# Altium PCB 键盘 - 俊杰.PcbDoc (part 2 of 4)
Units mil, origin at the board's own origin, x right, y up, seen from the top; angles counter-clockwise.
Board outline 17460 x 5880 mil, 2 copper layers (Top Layer, Bottom Layer); 278 components, 283 nets, 1577 pads, 1412 vias.
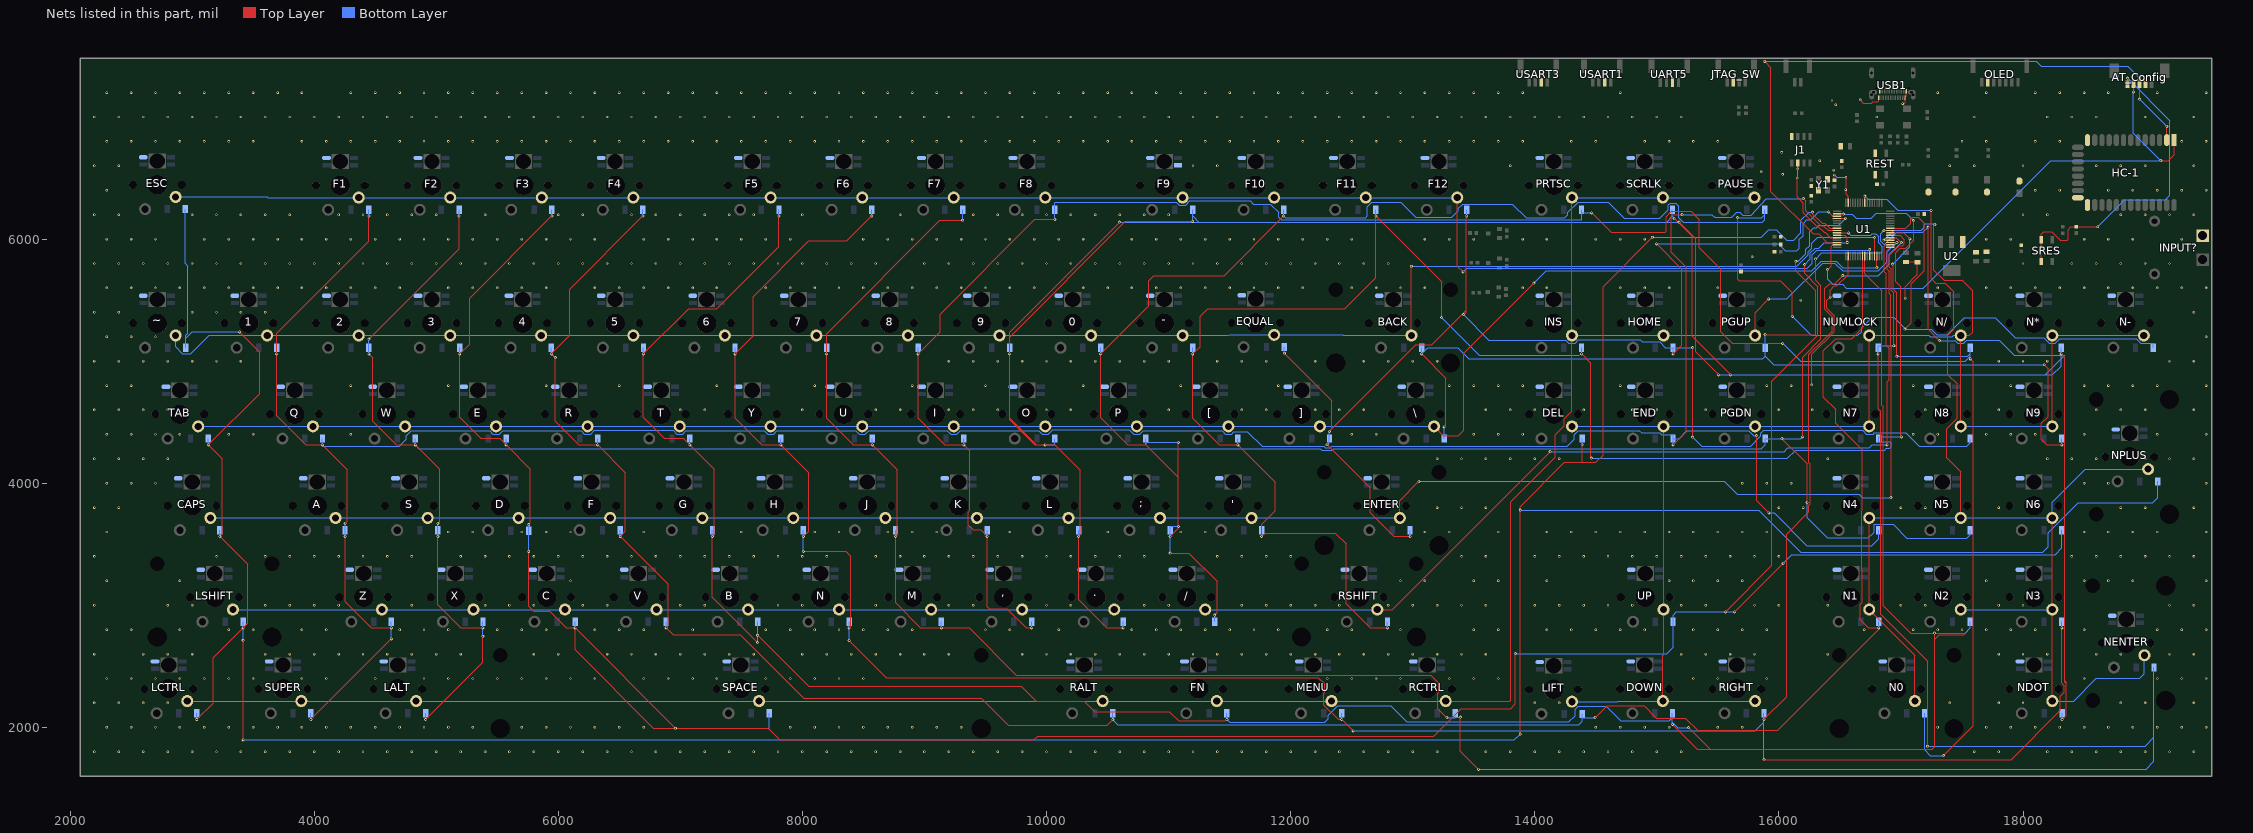
[diagram p2: the nets of this part, all layers, seen from the top]

## Via types
v1: diameter 20, hole 10, Top Layer to Bottom Layer, 1072 vias
v2: diameter 24.02, hole 12.01, Top Layer to Bottom Layer, 310 vias
v3: diameter 20, hole 10, Top Layer to Bottom Layer, tented both sides, 30 vias

## Nets (pads, with @x,y where several pads share a name; then routed paths per layer and width w, separated by ;. In a path a pad name is that pad's centre, name@x,y a point inside that pad or via, vN(x,y) a via of type N, cw(c..) or ccw(c..) an arc to the next point about the centre after c; other vN are vias at no path point) (continued)
GND: 0.5 1.5 2.5 3.5 4.5 5.5 6.5 7.5 8.5 9.5 '.5 ,.5 -.5 ..5 /.5 ;.5 [.5 \.5 ].5 A.5 AT_Config.2 B.5 BACK.5 C1.2 C2.2 C3.2 C4.1 C5.2 C6.2 C7.2 C8.2 C9.1 C10.1 C11.1 C12.1 C13.2 C.5 CAPS.5 D1.2 D2.2 D3.2 D.5 DEL.5 DOWN.5 DR.2 E.5 END.5 ENTER.5 EQUAL.5 ESC.5 F1.5 F2.5 F3.5 F4.5 F5.5 F6.5 F7.5 F8.5 F9.3 F9.5 F10.5 F11.5 F12.5 F.5 FN.5 G.5 H.5 HC-1.13 HC-1.21 HC-1.22 HOME.5 I.5 INPUT?.1 INS.5 J1.2 J1.8 J.5 JTAG_SW.3 K.5 L.5 LALT.5 LCTRL.5 LIFT.5 LSHIFT.5 M.5 MENU.5 N0.5 N1.5 N2.5 N3.5 N4.5 N5.5 N6.5 N7.5 N8.5 N9.5 N*.5 N-.5 N.5 N/.5 NDOT.5 NENTER.5 NPLUS.5 NUMLOCK.5 O.5 OLED.6 P.5 PAUSE.5 PGDN.5 PGUP.5 PRTSC.5 Q.5 R1.2 R3.2 R15.2 R.5 RALT.5 RCTRL.5 REST.2 RIGHT.5 RSHIFT.5 S.5 SCRLK.5 SPACE.5 SUPER.5 T.5 TAB.5 U1.12 U1.18 U1.63 U2.1 U.5 UART5.2 UP.5 USART1.2 USART3.2 USB1.A1 USB1.A12 USB1.B1 USB1.B12 V.5 W.5 X.5 Y1.2 Y1.4 Y.5 Z.5 ~.5 | length 3144.8
  Top Layer w10: v3(16150,6500) 16150,6345 16201.25,6293.75 16201.25,6214.03 16305.52,6109.76 16315.52,6109.76 16370.28,6055 16380,6055 16422.6,6012.4 16475.2,6012.4 U1.12@16476.5,6011.1 ; v3(16155,6574.53) J1.2@16155,6623.46 ; v3(16270,4805) 16270,5055.28 16369.08,5154.36 16370.64,5154.36 16454.87,5238.6 16454.87,5371.4 16392.87,5433.4 16392.87,5497.87 v3(16420,5525) 16420,5582.35 16455.53,5617.87 16474.47,5617.87 16476.04,5616.31 16567.05,5707.33 U1.18@16567.05,5861.5 ; C4.1@16455,6481.18 v3(16455,6525) ; v3(16550,6505) 16550,6365.28 16567.05,6348.23 U1.63@16567.05,6298.5 ; v3(16667,7140) 16693,7114 16759.72,7114 16769.6,7123.87 16808.87,7123.87 16816.82,7131.82 USB1.A12@16816.82,7158.13 ; v3(17013.82,7110) 17028,7110 17033.35,7115.35 USB1.A1@17033.35,7158.13 17043.19,7167.97 USB1.B12@17043.19,7209.31 ; v3@17034.1,5515.9 v3(17035,5516.81) 17035,5610.28 17135,5710.28 C10.1@17135,5810 17132.4,5812.6 C9.1@17040,5812.6
  Bottom Layer w10: v3(16150,6500) 16155,6505 v3(16155,6574.53) ; v3(16455,6525) 16475,6505 v3(16550,6505)
  other v1: 2200,1800 2400,1800 2600,1800 2800,1800 3000,1800 3200,1800 3400,1800 3600,1800 3800,1800 4000,1800 4200,1800 4400,1800 4600,1800 4800,1800 5000,1800 5200,1800 5400,1800 5600,1800 5800,1800 6000,1800 6200,1800 6400,1800 6600,1800 6800,1800 7000,1800 7200,1800 7400,1800 7600,1800 7800,1800 8000,1800 8200,1800 8400,1800 8600,1800 8800,1800 9000,1800 9200,1800 9400,1800 9600,1800 9800,1800 10000,1800 10200,1800 10400,1800 10600,1800 10800,1800 11000,1800 11200,1800 11400,1800 11600,1800 11800,1800 12000,1800 12200,1800 12400,1800 12600,1800 12800,1800 13000,1800 13200,1800 13600,1800 13800,1800 14000,1800 14200,1800 14400,1800 14600,1800 14800,1800 15000,1800 15200,1800 17600,1800 17800,1800 18200,1800 18400,1800 18600,1800 18800,1800 19000,1800 19200,1800 19400,1800 2300,2000 2500,2000 2700,2000 2900,2000 3100,2000 3300,2000 3500,2000 3700,2000 3900,2000 4100,2000 4300,2000 4500,2000 4700,2000 4900,2000 5100,2000 5300,2000 5700,2000 5900,2000 6100,2000 6300,2000 6500,2000 6700,2000 7900,2000 8100,2000 8300,2000 8500,2000 8700,2000 8900,2000 9100,2000 9300,2000 14500,2000 14700,2000 14900,2000 15100,2000 15500,2000 15700,2000 17300,2000 17700,2000 17900,2000 18100,2000 18300,2000 18500,2000 18700,2000 18900,2000 19100,2000 19300,2000 19500,2000 2200,2200 2400,2200 2600,2200 2800,2200 14000,2200 14200,2200 17400,2200 17800,2200 18000,2200 18800,2200 19000,2200 19400,2200 2300,2400 2500,2400 2700,2400 2900,2400 3100,2400 3300,2400 3500,2400 3900,2400 4100,2400 4500,2400 4900,2400 5100,2400 5300,2400 5500,2400 5700,2400 5900,2400 6100,2400 6300,2400 6700,2400 6900,2400 7100,2400 7300,2400 7700,2400 7900,2400 8100,2400 8300,2400 8500,2400 12300,2400 12500,2400 12700,2400 12900,2400 13300,2400 13500,2400 13700,2400 15300,2400 15500,2400 15900,2400 18500,2400 19100,2400 19300,2400 19500,2400 2200,2600 2600,2600 2800,2600 3000,2600 3600,2600 3800,2600 4000,2600 4200,2600 4400,2600 4600,2600 4800,2600 5000,2600 5200,2600 5800,2600 6000,2600 6400,2600 6600,2600 6800,2600 7000,2600 7200,2600 7400,2600 7600,2600 8000,2600 8200,2600 8400,2600 8600,2600 8800,2600 9000,2600 9200,2600 9800,2600 10000,2600 10200,2600 10400,2600 10600,2600 10800,2600 11000,2600 11200,2600 11400,2600 11600,2600 11800,2600 12000,2600 12200,2600 12400,2600 12600,2600 12800,2600 13000,2600 13200,2600 13400,2600 13600,2600 15200,2600 15400,2600 15600,2600 15800,2600 16400,2600 17800,2600 18000,2600 18200,2600 18600,2600 18800,2600 19200,2600 19400,2600 2300,2800 2500,2800 2900,2800 3300,2800 3500,2800 3900,2800 4100,2800 4700,2800 4900,2800 5100,2800 5500,2800 5700,2800 5900,2800 6300,2800 6500,2800 6700,2800 7100,2800 7700,2800 7900,2800 8100,2800 8300,2800 8500,2800 8700,2800 8900,2800 9500,2800 9700,2800 10100,2800 10700,2800 10900,2800 11100,2800 11300,2800 11500,2800 11700,2800 11900,2800 12300,2800 12500,2800 12900,2800 13500,2800 13700,2800 14100,2800 14300,2800 14500,2800 14700,2800 14900,2800 15300,2800 15500,2800 15700,2800 15900,2800 16700,2800 17100,2800 17300,2800 17500,2800 17700,2800 17900,2800 18100,2800 18500,2800 19100,2800 19300,2800 19500,2800 2200,3000 2800,3000 3000,3000 3600,3000 3800,3000 4000,3000 4200,3000 4800,3000 5400,3000 5600,3000 5800,3000 6200,3000 6400,3000 7000,3000 7200,3000 7800,3000 8000,3000 8600,3000 9200,3000 9400,3000 10000,3000 10200,3000 10800,3000 11000,3000 11600,3000 11800,3000 12000,3000 12200,3000 12400,3000 12800,3000 13000,3000 13200,3000 13400,3000 13600,3000 14000,3000 14200,3000 14400,3000 14600,3000 14800,3000 15200,3000 15400,3000 15800,3000 16000,3000 16400,3000 17000,3000 17200,3000 17800,3000 18000,3000 19200,3000 19400,3000 2300,3200 2900,3200 6100,3200 12900,3200 13100,3200 13500,3200 13700,3200 14100,3200 15100,3200 15300,3200 15500,3200 15700,3200 17700,3200 18500,3200 18700,3200 18900,3200 19500,3200 2200,3400 3200,3400 3600,3400 3800,3400 4000,3400 4200,3400 4400,3400 4600,3400 4800,3400 5200,3400 5400,3400 5600,3400 5800,3400 6000,3400 6200,3400 6400,3400 6600,3400 6800,3400 7000,3400 7200,3400 7400,3400 7600,3400 7800,3400 8000,3400 8200,3400 8600,3400 8800,3400 9000,3400 9200,3400 9400,3400 9600,3400 9800,3400 10000,3400 10200,3400 10400,3400 10600,3400 10800,3400 11400,3400 11600,3400 11800,3400 12000,3400 13400,3400 13600,3400 14000,3400 14200,3400 14400,3400 14600,3400 14800,3400 15000,3400 15200,3400 15400,3400 15600,3400 15800,3400 16000,3400 18400,3400 18600,3400 18800,3400 19000,3400 19200,3400 19400,3400 2300,3600 5100,3600 5300,3600 5700,3600 5900,3600 6100,3600 6700,3600 7500,3600 8100,3600 8300,3600 8700,3600 8900,3600 9100,3600 9700,3600 10500,3600 11100,3600 11300,3600 13100,3600 13300,3600 13700,3600 14100,3600 14300,3600 14500,3600 14700,3600 14900,3600 15100,3600 15300,3600 15500,3600 15700,3600 15900,3600 18500,3600 18700,3600 18900,3600 19100,3600 19500,3600 2200,3800 2400,3800 13200,3800 13400,3800 13600,3800 16000,3800 16200,3800 17000,3800 17200,3800 17800,3800 18800,3800 19000,3800 19400,3800 2300,4000 2500,4000 2700,4000 15700,4000 15900,4000 16100,4000 18500,4000 18700,4000 19500,4000 2200,4200 2400,4200 2600,4200 2800,4200 13200,4200 13400,4200 13600,4200 13800,4200 14000,4200 14200,4200 16400,4200 18200,4200 18400,4200 18600,4200 19000,4200 19200,4200 19400,4200 2300,4400 2500,4400 2700,4400 2900,4400 3300,4400 3500,4400 4300,4400 12500,4400 12700,4400 13500,4400 13700,4400 13900,4400 17100,4400 17300,4400 17700,4400 17900,4400 18100,4400 18500,4400 19100,4400 19500,4400 2200,4600 2400,4600 2600,4600 2800,4600 7000,4600 7200,4600 8000,4600 8600,4600 8800,4600 9200,4600 9400,4600 9600,4600 10000,4600 10200,4600 11000,4600 11600,4600 11800,4600 12200,4600 12400,4600 12600,4600 13600,4600 13800,4600 14000,4600 14400,4600 14800,4600 15000,4600 15400,4600 16000,4600 17200,4600 17800,4600 18600,4600 18800,4600 19000,4600 19400,4600 2300,4800 2500,4800 4300,4800 5100,4800 5900,4800 6500,4800 7300,4800 8100,4800 8900,4800 9500,4800 10300,4800 11100,4800 11900,4800 13300,4800 13500,4800 13700,4800 13900,4800 14700,4800 15900,4800 16100,4800 17100,4800 17900,4800 18500,4800 18700,4800 18900,4800 19100,4800 19500,4800 2200,5000 2400,5000 2600,5000 2800,5000 3000,5000 3200,5000 3400,5000 9200,5000 9400,5000 9600,5000 9800,5000 10000,5000 10200,5000 10400,5000 10600,5000 10800,5000 11000,5000 11400,5000 11600,5000 11800,5000 12200,5000 12600,5000 12800,5000 13000,5000 13200,5000 17800,5000 18000,5000 18200,5000 19200,5000 19400,5000 2300,5200 2500,5200 2700,5200 19500,5200 2200,5400 2400,5400 3000,5400 3200,5400 3400,5400 3600,5400 19400,5400 2300,5600 2500,5600 2700,5600 2900,5600 3100,5600 3300,5600 3500,5600 3700,5600 3900,5600 4100,5600 4300,5600 4500,5600 4700,5600 5100,5600 5300,5600 5500,5600 5700,5600 5900,5600 6300,5600 6500,5600 6700,5600 6900,5600 7100,5600 7300,5600 7700,5600 7900,5600 8100,5600 8300,5600 8500,5600 8700,5600 8900,5600 9100,5600 9300,5600 9500,5600 9700,5600 9900,5600 10300,5600 10500,5600 10700,5600 10900,5600 11100,5600 11300,5600 11500,5600 11700,5600 11900,5600 12100,5600 12500,5600 12700,5600 12900,5600 13100,5600 13900,5600 14100,5600 14700,5600 14900,5600 15100,5600 15500,5600 17300,5600 17700,5600 17900,5600 18100,5600 18300,5600 18500,5600 18700,5600 18900,5600 19100,5600 19300,5600 19500,5600 2200,5800 2400,5800 2600,5800 2800,5800 3000,5800 3200,5800 3400,5800 3600,5800 3800,5800 4000,5800 4200,5800 4400,5800 4600,5800 4800,5800 5000,5800 5200,5800 5400,5800 5600,5800 5800,5800 6000,5800 6200,5800 6400,5800 6600,5800 6800,5800 7000,5800 7200,5800 7400,5800 7600,5800 7800,5800 8000,5800 8200,5800 8400,5800 8600,5800 9000,5800 9200,5800 9400,5800 9600,5800 9800,5800 10000,5800 10200,5800 10400,5800 10600,5800 10800,5800 11000,5800 11200,5800 11400,5800 11600,5800 11800,5800 12000,5800 12200,5800 12400,5800 12600,5800 12800,5800 18000,5800 18400,5800 18600,5800 18800,5800 19000,5800 19200,5800 2300,6000 2500,6000 2700,6000 3100,6000 3300,6000 3500,6000 3700,6000 3900,6000 4100,6000 4300,6000 4500,6000 4700,6000 4900,6000 5100,6000 5300,6000 5500,6000 5700,6000 5900,6000 6100,6000 6300,6000 6700,6000 6900,6000 7100,6000 7300,6000 7500,6000 7700,6000 7900,6000 8500,6000 8700,6000 8900,6000 9100,6000 9300,6000 9500,6000 9700,6000 9900,6000 10100,6000 10300,6000 10700,6000 10900,6000 11100,6000 11300,6000 11500,6000 11700,6000 11900,6000 12100,6000 12300,6000 12500,6000 13100,6000 13300,6000 13500,6000 13900,6000 14100,6000 14500,6000 14700,6000 14900,6000 17700,6000 17900,6000 18500,6000 18700,6000 18900,6000 19300,6000 2200,6200 2400,6200 3000,6200 3200,6200 3400,6200 3600,6200 3800,6200 4200,6200 4400,6200 4600,6200 4800,6200 5000,6200 5400,6200 6000,6200 6200,6200 6600,6200 6800,6200 7000,6200 7200,6200 7400,6200 7600,6200 8000,6200 8800,6200 9400,6200 9600,6200 9800,6200 10000,6200 10200,6200 10400,6200 10600,6200 10800,6200 11000,6200 18000,6200 18200,6200 18800,6200 19000,6200 19200,6200 19400,6200 2300,6400 18100,6400 18300,6400 18700,6400 18900,6400 19100,6400 19300,6400 19500,6400 2200,6600 2400,6600 11200,6600 11400,6600 13800,6600 17400,6600 17600,6600 18000,6600 18600,6600 18800,6600 19000,6600 19400,6600 2300,6800 2500,6800 2700,6800 2900,6800 3100,6800 3300,6800 3500,6800 3900,6800 4100,6800 4300,6800 4500,6800 4700,6800 4900,6800 5100,6800 5300,6800 5500,6800 5700,6800 5900,6800 6100,6800 6300,6800 6500,6800 6700,6800 6900,6800 7100,6800 7300,6800 7500,6800 7700,6800 7900,6800 8100,6800 8300,6800 8500,6800 8700,6800 8900,6800 9100,6800 9300,6800 9500,6800 9700,6800 9900,6800 10100,6800 10300,6800 10500,6800 10700,6800 10900,6800 11100,6800 11300,6800 11500,6800 11700,6800 11900,6800 12100,6800 12300,6800 12500,6800 12700,6800 12900,6800 13100,6800 13300,6800 13500,6800 13700,6800 13900,6800 14300,6800 14500,6800 14900,6800 15100,6800 15300,6800 15500,6800 17500,6800 17700,6800 18100,6800 18300,6800 19300,6800 19500,6800 2200,7000 2400,7000 2600,7000 2800,7000 3000,7000 3200,7000 3400,7000 3600,7000 3800,7000 4000,7000 4200,7000 4400,7000 4600,7000 4800,7000 5000,7000 5200,7000 5400,7000 5600,7000 5800,7000 6000,7000 6200,7000 6400,7000 6600,7000 6800,7000 7000,7000 7200,7000 7400,7000 7600,7000 7800,7000 8000,7000 8200,7000 8400,7000 8600,7000 8800,7000 9000,7000 9200,7000 9400,7000 9600,7000 9800,7000 10000,7000 10200,7000 10400,7000 10600,7000 10800,7000 11000,7000 11200,7000 11400,7000 11600,7000 11800,7000 12000,7000 12200,7000 12400,7000 12600,7000 12800,7000 13000,7000 13200,7000 13400,7000 13600,7000 13800,7000 14000,7000 14200,7000 14400,7000 14600,7000 14800,7000 15000,7000 15200,7000 16800,7000 17600,7000 18200,7000 18400,7000 18600,7000 19000,7000 19400,7000 2300,7200 2500,7200 2700,7200 2900,7200 3100,7200 3300,7200 3500,7200 3700,7200 3900,7200 4300,7200 4500,7200 4700,7200 4900,7200 5100,7200 5300,7200 5500,7200 5700,7200 5900,7200 6100,7200 6300,7200 6500,7200 6700,7200 6900,7200 7100,7200 7300,7200 7500,7200 7700,7200 7900,7200 8100,7200 8300,7200 8500,7200 8700,7200 8900,7200 9100,7200 9300,7200 9500,7200 9700,7200 9900,7200 10100,7200 10300,7200 10500,7200 10700,7200 10900,7200 11100,7200 11300,7200 11500,7200 11700,7200 11900,7200 12100,7200 12300,7200 12500,7200 12700,7200 12900,7200 13100,7200 13300,7200 13500,7200 13700,7200 13900,7200 14700,7200 17300,7200 17700,7200 18100,7200 18300,7200 18500,7200 18700,7200 19100,7200 19500,7200
  other v3: 16275,4600 16180,5500 15780,5855 16546,6405 16030,6530 15855,6550 16450,6565 16335,6641 16024,6710 16465,7100 16435,7135
HC_KEY: AT_Config.5 R14.2 SRES.1 | length 2661.3
  Top Layer w10: SRES.1@18150.71,5816.42 SRES.1@18150.71,5993.58 18150.71,6039.83 18169.35,6058.48 18237.52,6058.48 18305,5991 18361,5991 18370,6000 18370,6078 18392.59,6100.59 R14.2@18435,6100.59 v2(18612.59,6100.59) ; AT_Config.5@18857.12,7269.35 v2(18857.12,7318)
  Bottom Layer w10: v2(18612.59,6100.59) 18832,6320 19164,6320 19204,6360 19204,6971.12 v2(18857.12,7318)
HC_RX: AT_Config.3 HC-1.2 U1.14 | length 5531.1
  Top Layer w10: v2(15884,7455) 15934,7405 15934,6388 16280,6042 16328,6042 16398.27,5971.73 U1.14@16476.5,5971.73 ; v2(18955.54,7147) AT_Config.3@18955.54,7269.35 v2(18955.54,7317.85) ; HC-1.2@19178.03,6810.75 19178.03,6922.58 v2(19179,6923.54)
  Bottom Layer w10: v2(15884,7455) 18109,7455 18148,7416 18857.39,7416 v2(18955.54,7317.85) ; v2(18955.54,7147) v2(19179,6923.54)
HC_TX: AT_Config.4 HC-1.1 U1.15 | length 4494.4
  Top Layer w10: v2(16399,5749) 16428,5778 16428,5940.05 16440,5952.05 U1.15@16476.5,5952.05 ; v2(18905,7205) 18906.33,7206.33 AT_Config.4@18906.33,7269.35 ; v2(19129,6643) 19188,6643 19237.09,6692.09 HC-1.1@19237.09,6810.75
  Bottom Layer w10: v2(16399,5749) 16399,5669.88 16440,5628.88 16522,5628.88 16552.14,5598.74 17182.74,5598.74 18227,6643 v2(19129,6643) 18905,6867 v2(18905,7205)
KEY_POS1: D4.2 D17.2 D31.2 D45.2 D58.2 D70.2 D84.2 D98.2 U1.8 | length 29361.3
  Top Layer w10: v2(3038,2064) 3173,2199 3173,2569 v2(3418,2814) 3455,2851 3455,3337 v2(3228,3564) ; v2(3228,3564.49) 3247,3583.49 3247,4200.49 v2(3133,4314.49) 3553,4734.49 3553,5074 v2(3388,5239) ; v2(3418,1897) v2(3418,2713) ; v2(13881,1945) v2(13881,3780) 13881,3807.49 14243.51,4170 14500,4170 14560,4230 14560,5611 v2(14964,6015) ; 14385,4170 14387.75,4172.75 v3(14387.75,4314.25) ; v2(16275,6220) 16275,6208.26 16355.63,6127.63 16377.63,6127.63 16415.42,6089.84 U1.8@16476.5,6089.84
  Bottom Layer w10: D4.2@2943,6245 2943,5801 2966,5778 2966,5229 2948,5211 2948,5187 ; D17.2@2948,5110 2948,5187 ; v2(3038,2064) D70.2@3038,2115 ; v2(3133,4314.49) D31.2@3133,4365 ; v2(3228,3564) v2(3228,3564.49) D45.2@3228,3615 ; v2(3388,5239) 3000,5239 2948,5187 ; v2(3418,1897) 13833,1897 v2(13881,1945) ; v2(3418,2713) v2(3418,2814) D58.2@3418,2865 ; v2(13881,3780) 15833,3780 16180,3433 18160,3433 18207,3480 18207,3594.19 18451.81,3839 19062,3839 19103,3880 D98.2@19103,4015 ; v3(14387.75,4314.25) 14388,4314.49 D84.2@14388,4365 ; v2(14964,6015) 15855.12,6015 15917,6076.88 15979.12,6076.88 16064,5992 16121,5992 16180.57,6051.57 16180.57,6152.84 16247.73,6220 v2(16275,6220)
KEY_POS2: D5.2 D18.2 D32.2 D46.2 D59.2 D71.2 D85.2 D99.2 U1.9 | length 23216.2
  Top Layer w10: v2(3973,2064) v2(4633,2724) ; v2(4253,3564) 4253,3029 4467.51,2814.49 v2(4633,2814.49) ; v2(4253,3671) 4272,3690 4272,4110.49 v2(4068,4314.49) 3930.51,4314.49 3693,4552 v2(3693,5059.49) 3693,5229 4448,5984 v2(4448,6189) ; v2(15133,4314) 15240,4421 15240,5770 15117.12,5892.88 15117.12,6185.12 15133,6201 v2(15207,6201) ; v2(15817,4390) 15817,3857 v2(15918,3756) ; v2(16200,6332) 16219.13,6312.87 16219.13,6232.92 16342.29,6109.76 16363.97,6109.76 16403.56,6070.16 U1.9@16476.5,6070.16
  Bottom Layer w10: v2(3693,5059.49) D18.2@3693,5110 ; v2(3973,2064) D71.2@3973,2115 ; D32.2@4068,4365 v2(4068,4314.49) 4068,4308 4074,4302 4697,4302 4755,4360 4755,4387.19 4796.81,4429 5438.19,4429 5464.28,4402.91 5515.72,4402.91 5543.81,4431 6186.19,4431 6214.28,4402.91 6265.72,4402.91 6294.81,4432 6940.19,4432 6969.28,4402.91 7020.72,4402.91 7045.81,4428 7689.19,4428 7714.28,4402.91 7765.72,4402.91 7791.81,4429 8438.19,4429 8464.28,4402.91 8515.72,4402.91 8543.81,4431 9186.19,4431 9214.28,4402.91 9265.72,4402.91 9291.81,4429 9938.19,4429 9964.28,4402.91 10015.72,4402.91 10051.81,4439 10678.19,4439 10714.28,4402.91 10765.72,4402.91 10791.81,4429 11438.19,4429 11464.28,4402.91 11515.72,4402.91 11535.81,4423 11645,4423 11766,4302 12273,4302 12285.39,4289.61 12323,4289.61 12335.39,4302 14265,4302 14323,4360 14323,4395.19 14356.81,4429 14858,4429 14875,4412 15022,4412 15039,4395 15133,4395 D85.2@15133,4365 ; v2(4253,3564) D46.2@4253,3615 v2(4253,3671) ; v2(4448,6189) D5.2@4448,6240 ; v2(4633,2724) v2(4633,2814.49) D59.2@4633,2865 ; v2(15133,4314) D85.2@15133,4365 ; v2(15207,6201) 15452,6201 15476,6177 15612,6177 15653,6218 15677.63,6218 15702,6193.63 15772,6193.63 15895,6332 v2(16200,6332) ; v2(15817,4390) 15792.19,4390 15754.19,4428 15246,4428 15183,4365 D85.2@15133,4365 ; v2(15918,3756) 15961,3756 16229,3488 16760,3488 16818,3546 D99.2@16818,3615
KEY_POS3: D6.2 D19.2 D33.2 D47.2 D60.2 D72.2 D86.2 D100.2 U1.10 | length 21808.8
  Top Layer w10: v2(4448,5059.49) 4481,5026.49 4481,4506 4672.51,4314.49 v2(4828,4314.49) 5027,4115.49 5027,3685 v2(5013,3671) ; v2(4448,5180) 5188,5920 v2(5188,6189) ; v2(4913,2064) 5383,2534 v2(5383,2746) ; v2(5013,3564) 5013,3002 5200.51,2814.49 v2(5383,2814.49) ; v2(16024,4365) 16231,4158 v2(16231,3842) ; v2(16194,4379) 16194,5032 16343.63,5181.63 16343.63,5618.47 16300.01,5662.09 v2(16300.01,5835.99) ; U1.10@16476.5,6050.47 v2(16569,6050.47)
  Bottom Layer w10: v2(4448,5059.49) D19.2@4448,5110 v2(4448,5180) ; D33.2@4828,4365 v2(4828,4314.49) 4858.49,4284 12240.66,4284 12252.92,4271.74 12340.64,4271.74 12352.9,4284 15857.51,4284 15888,4314.49 D86.2@15888,4365 v2(16024,4365) 16180,4365 v2(16194,4379) ; v2(4913,2064) D72.2@4913,2115 ; v2(5013,3564) D47.2@5013,3615 v2(5013,3671) ; v2(5188,6189) D6.2@5188,6240 ; v2(5383,2746) v2(5383,2814.49) D60.2@5383,2865 ; v2(16231,3842) 16231,3718 16398,3551 16734,3551 16783,3600 16783,3662 16936,3662 17048,3550 17540,3550 17568,3578 D100.2@17568,3615 ; v2(16300.01,5835.99) 16353.15,5889.12 16836.95,5889.12 16847.83,5900 16847.83,5939 16818,5968.83 16818,6020 16794,6044 16765.21,6044 16752,6030.79 16588.68,6030.79 v2(16569,6050.47)
KEY_POS4: D7.2 D20.2 D34.2 D48.2 D61.2 D73.2 D87.2 D101.2 U1.11 | length 24210.5
  Top Layer w10: v2(5758,3441) 5758,2993 5800,2951 5930,2951 6066.51,2814.49 v2(6138,2814.49) 6138,2634 6780,1992 7721,1992 7815,1898 9897,1898 9927,1928 13173,1928 13397,2152 13802,2152 13842,2192 v2(13842,2604) ; v2(5758,3661) 5772,3675 5772,4115.49 v2(5573,4314.49) 5520.49,4367 5365,4367 5193,4539 v2(5193,5059.49) 5273,5139.49 5273,5514 v2(5948,6189) ; v2(6138,2814) v2(6960,1992) ; v2(15563,2946) 15943,3326 15943,4833.25 16319.75,5210 16319.75,5608.86 16210,5718.61 v2(16210,5790) ; v2(15637,2946) v2(16034,3343) ; U1.11@16476.5,6030.79 16540.31,6030.79 16560,6011.1 v2(16560,5971.73)
  Bottom Layer w10: v2(5193,5059.49) D20.2@5193,5110 ; v2(5573,4314.49) D34.2@5573,4365 ; v2(5758,3441) D48.2@5758,3610 v2(5758,3661) ; v2(5948,6189) D7.2@5948,6240 ; v2(6138,2814) v2(6138,2814.49) D61.2@6138,2865 ; v2(6960,1992) 7721,1992 7728,1985 D73.2@7728,2115 ; v2(13842,2604) 15080,2604 15133,2657 D87.2@15133,2865 15133,2920 15159,2946 v2(15563,2946) v2(15637,2946) ; v2(16034,3343) 16106,3415 18263,3415 18318,3470 D101.2@18318,3615 ; v2(16210,5790) 16257.26,5837.26 16257.26,5865.5 16257.3,5865.55 16257.3,5886.04 16296.26,5925 16324.87,5925 16371.6,5971.73 v2(16560,5971.73)
KEY_POS5: D8.2 D21.2 D35.2 D49.2 D62.2 D74.2 D88.2 D102.2 U1.24 | length 18942.4
  Top Layer w10: v2(5943,5059.49) 6093.51,5210 6093.51,5589.51 v2(6693,6189) ; v2(5976,5027.97) 5976,4506 6168,4314 v2(6323,4314) 6550,4087 6550,3606 v2(6508,3564) 6902,3170 6902,2833.49 v2(6883,2814.49) 6940.49,2757 7490,2757 8010,2237 9465,2237 9686,2016 10496,2016 v2(10543,2063) ; v2(14495,2079) 14594,2178 14895,2178 14997,2076 15232,2076 15334,1974 15990,1974 16818,2802 v2(16818,2814) 16731,2814 16665,2880 16665,3006.66 16683,3024.66 16683,3281 16677,3287 16677,3771 16683,3777 16683,4273 16465,4491 16465,4606 16365,4706 16365,5083 16466,5184 16595.34,5184 16685.16,5273.82 U1.24@16685.16,5861.5
  Bottom Layer w10: D21.2@5943,5110 v2(5943,5059.49) 5974.52,5027.97 v2(5976,5027.97) ; v2(6323,4314) D35.2@6323,4365 ; v2(6508,3564) D49.2@6508,3615 ; v2(6693,6189) D8.2@6693,6240 ; v2(6883,2814.49) D62.2@6883,2865 ; D74.2@10543,2115 v2(10543,2063) 10584,2022 14360,2022 14388,2050 D88.2@14388,2079 ; D88.2@14388,2110 D88.2@14388,2079 ; v2(14495,2079) D88.2@14388,2079 ; v2(16818,2814) D102.2@16818,2865
KEY_POS6: D9.2 D22.2 D36.2 D50.2 D63.2 D75.2 D89.2 D103.2 U1.25 | length 22922.2
  Top Layer w10: v2(7633,2694) 7263,3064 v2(7263,3564.49) 7277,3578.49 7277,4115.49 v2(7078,4314.49) 7025.49,4367 6870,4367 6698,4539 v2(6698,5059.49) 7067.51,5429 7299,5429 7808,5938 v2(7808,6189) ; v2(7633,2754) 8050,2337 9792,2337 9917,2212 10311,2212 10396,2127 11007,2127 11082,2052 11466,2052 v2(11478,2064) ; v2(15128,2024) 15332,1820 17255,1820 ; v2(15260,1998) 15438,1820 17255,1820 ; U1.25@16704.84,5861.5 16704.84,5714.16 16843,5576 16843,5113.98 16843,4640.5 16854.25,4629.25 16854.25,2997.75 17080,2772 17525.51,2772 17513.51,2760 17315,2760 17275,2720 ; v2(17275,2772) 17275,2720 ; 17255,1820 17275,1840 17275,2720
  Bottom Layer w10: v2(6698,5059.49) D22.2@6698,5110 ; v2(7078,4314.49) D36.2@7078,4365 ; v2(7263,3564.49) D50.2@7263,3615 ; v2(7633,2694) v2(7633,2754) D63.2@7633,2865 ; v2(7808,6189) D9.2@7808,6240 ; D75.2@11478,2115 v2(11478,2064) 11501,2041 12278,2041 12307,2070 12307,2099.19 12384.81,2177 12819,2177 12951,2045 14280,2045 14330,2095 14330,2147.19 14354.81,2172 14585,2172 14705,2052 15100,2052 15128,2080 ; v2(15128,2024) 15128,2080 ; D89.2@15128,2115 15128,2080 ; v2(15260,1998) 15170,1998 15128,2040 15128,2080 ; v2(17275,2772) 17525.51,2772 17568,2814.49 D103.2@17568,2865
KEY_POS7: D10.2 D23.2 D37.2 D51.2 D64.2 D76.2 D90.2 D104.2 U1.37 | length 21556.2
  Top Layer w10: v2(8008,3442) 8355,3442 8397,3400 8397,2828.49 v2(8383,2814.49) ; v2(8008,3564.49) 8050,3606.49 8050,4087.49 v2(7823,4314.49) 7667.51,4314.49 7448,4534 v2(7448,5059.49) 7596,5207.49 7596,5529 8053,5986 8365,5986 v2(8568,6189) ; v2(8383,2711) 8686.13,2407.87 12227.13,2407.87 12278,2357 12278,2283 12272,2277 12272,2180 12388,2064 v2(12418,2064) v2(12512,1970) ; v2(15878,1736) 17904,1736 18307,2139 18307,2256 18336.37,2285.37 18336.37,2340.63 18318,2359 v2(18318,2814) ; v2(15878,2064.49) 16063,2249.49 16063,3582 16245,3764 16245,3820.81 16255.88,3831.69 16255.88,4158.4 16245,4169.28 16245,5055.56 16361.68,5172.24 16363.24,5172.24 16437,5246 16437,5364 16375,5426 16375,5595 16415.75,5635.75 16458.75,5635.75 v2(16523,5700) ; U1.37@16913.5,6011.1 16962.9,6011.1 v2(17003,5971)
  Bottom Layer w10: v2(7448,5059.49) D23.2@7448,5110 ; v2(7823,4314.49) D37.2@7823,4365 ; v2(8008,3442) v2(8008,3564.49) D51.2@8008,3615 ; v2(8383,2711) v2(8383,2814.49) D64.2@8383,2865 ; v2(8568,6189) D10.2@8568,6240 ; v2(12418,2064) D76.2@12418,2115 ; v2(12512,1970) 15808,1970 15878,2040 ; v2(15878,1736) 15878,2040 ; D90.2@15878,2115 v2(15878,2064.49) 15878,2040 ; v2(16523,5700) 16814.22,5700 16905.92,5791.71 16905.92,5873.92 v2(17003,5971) ; v2(18318,2814) D104.2@18318,2865
KEY_POS8: D11.2 D24.2 D38.2 D52.2 D65.2 D77.2 D91.2 D105.2 U1.38 | length 22876.4
  Top Layer w10: v2(9313,6154) 9127,6154 8198,5225 v2(8198,5059.49) 8198,4534 8417.51,4314.49 v2(8573,4314.49) 8777,4110.49 8777,3578.49 v2(8763,3564.49) 8763,3019 8967.51,2814.49 9137.51,2814.49 v2(9138,2814) 9365,2814 9753.25,2425.75 13147.25,2425.75 13213,2360 13213,2283 13207,2277 13207,2153 v2(13280,2080) ; v2(13390,2084) 13390,1805 v2(13539,1656) ; v2(16813,5059.49) 16813,4611 16836.37,4587.63 16836.37,2924.63 17218,2543 v2(17218,1845) ; U1.38@16913.5,6030.79 16993,6030.79 17028,5995.79 17028,5960 17014,5946 16984.49,5946 16906.12,5867.63 16906.12,5770.12 16920.63,5755.6 16920.63,5582.13 16942,5560.77 v2(16942,5126)
  Bottom Layer w10: v2(8198,5059.49) D24.2@8198,5110 ; v2(8573,4314.49) D38.2@8573,4365 ; v2(8763,3564.49) D52.2@8763,3615 ; v2(9138,2814) D65.2@9138,2865 ; v2(9313,6154) D11.2@9313,6240 ; v2(13280,2080) 13348,2080 D77.2@13348,2084 ; D77.2@13348,2115 D77.2@13348,2084 ; v2(13390,2084) D77.2@13348,2084 ; v2(13539,1656) 19009,1656 19073,1720 19073,1918 ; v2(16813,5059.49) D91.2@16813,5110 16813,5126 v2(16942,5126) ; v2(17218,1845) 19000,1845 19073,1918 ; D105.2@19073,2490 19073,1918
KEY_POS9: D12.2 D25.2 D39.2 D53.2 D66.2 D78.2 D92.2 D106.2 U1.39 | length 19497.5
  Top Layer w10: v2(9878,2814) 9832,2814 9675,2971 9531,2971 9513,2989 v2(9513,3564.49) 9460.49,3617 9400,3617 9360,3657 9360,3763.66 9373,3776.66 9373,4264.49 v2(9323,4314.49) 9167.51,4314.49 8948,4534 v2(8948,5059.49) 9128,5239.49 9128,5386 9903,6161 v2(10068,6161) ; v2(14465,6214) 14625,6054 15067,6054 15078.74,6065.74 15078.74,6184.74 15120,6226 15281,6226 15347,6160 15347,5929 15525,5751 15525,5240 15619,5146 v2(16030,5146) ; U1.39@16913.5,6050.47 17023.53,6050.47 v2(17073,6001) ; v2(16931,5795) 16938.51,5787.49 16938.51,5590.49 16967,5562 v2(16967,5040) ; v2(17347,1768) 17593,2014 17593,4994 v2(17568,5019)
  Bottom Layer w10: v2(8948,5059.49) D25.2@8948,5110 ; v2(9323,4314.49) D39.2@9323,4365 ; v2(9513,3564.49) D53.2@9513,3615 ; v2(9878,2814) D66.2@9878,2865 ; v2(10068,6161) D12.2@10068,6240 10068,6298 10073,6303 11064.19,6303 11089.28,6277.91 11140.72,6277.91 11174.81,6312 11670,6312 11695,6287 11832,6287 11901,6218 11901,6180 11924.13,6156.87 14382.87,6156.87 14383,6157 D78.2@14383,6214 ; D78.2@14383,6240 D78.2@14383,6214 ; v2(14465,6214) D78.2@14383,6214 ; v2(16030,5146) 16179,4997 17525,4997 17568,5040 ; v2(16931,5795) 17073,5937 v2(17073,6001) ; v2(16967,5040) 17548,5040 17568,5060 ; D106.2@17193,2115 17193,1815 17240,1768 v2(17347,1768) ; v2(17568,5019) 17568,5040 ; D92.2@17568,5110 17568,5060 ; 17568,5040 17568,5060
KEY_POS10: D13.2 D26.2 D40.2 D54.2 D67.2 D79.2 D93.2 D107.2 U1.40 | length 26149.6
  Top Layer w10: v2(9988.75,4314.25) 9903.75,4314.25 9698,4520 9698,4533 ; v2(10599,6139) 9698,5238 9698,5196 ; v2(10628,2814) 10493,2814 10263,3044 v2(10263,3564.49) 10277,3578.49 10277,4105.49 10068.25,4314.25 10068,4314 9917,4314 9698,4533 ; v2(11198,6144) 10646,6144 9698,5196 ; v2(15142,6169) 15290,6021 15290,5202 v2(15604,4888) ; v2(15183,6139) 15319,6003 15319,5076 v2(15507,4888) ; v2(16861.14,6070.16) U1.40@16913.5,6070.16 ; v2(17222,6098) 17222,5261 v2(17315,5168) ; v2(18313,5059.49) 18343,5029.49 18343,2382.38 ; v2(18321,2064) 18354.25,2097.25 18354.25,2359.88 ; 9698,4533 v2(9698,5059.49) 9698,5196 ; 18343,2382.38 18343,2371.13 18354.25,2359.88 ; 18343,2382.38 18354.25,2371.13 18354.25,2359.88
  Bottom Layer w10: v2(9698,5059.49) D26.2@9698,5110 ; v2(9988.75,4314.25) 10068.25,4314.25 10068,4314.49 D40.2@10068,4365 ; v2(10263,3564.49) D54.2@10263,3615 ; v2(10599,6139) 11248.49,6139 ; v2(10628,2814) D67.2@10628,2865 ; v2(11198,6144) 11198,6189.49 ; D13.2@11198,6240 11198,6189.49 ; D79.2@15128,6240 15128,6187 ; v2(15142,6169) 15128,6187 ; v2(15183,6139) 15080,6139 ; v2(15507,4888) v2(15604,4888) ; v2(16861.14,6070.16) 16836,6045.02 16836,5981 16864,5953 16965.62,6054.62 17178.62,6054.62 v2(17222,6098) ; v2(17315,5168) 17444.19,5168 17464.28,5147.91 17515.72,5147.91 17538,5170.19 17804.81,5170.19 17928,5047 18313,5047 ; D93.2@18313,5110 v2(18313,5059.49) 18313,5047 ; v2(18321,2064) D107.2@18321,2115 ; 11198,6189.49 11248.49,6139 ; 11248.49,6139 15080,6139 ; 15080,6139 15128,6187 ; v2(15604,4888) 18184,4888 18343,5047 18313,5047 ; v2(15604,4888) 18241,4888 18313,4960 18313,5047
KEY_POS11: D14.2 D27.2 D41.2 D55.2 D68.2 D80.2 D94.2 U1.41 | length 16873.8
  Top Layer w10: v2(11013,3427) 11166,3427 11397,3196 11397,2938 v2(11378,2919) ; v2(11013,3564.49) 11080,3631.49 11080,4047.49 ; v2(11080,3646) 11080,4047.49 ; v2(11080,4334) 11080,4047.49 ; v2(11943,6189) 11455,5701 10880,5701 10837,5658 10837,5453.49 v2(10443,5059.49) 10443,4538 10667,4314 10813,4314 10813.25,4314.25 11080,4047.49 ; v2(15662,6175.75) 15662,5670 15674.88,5657.12 16012.88,5657.12 16110,5560 v2(16110,5366) ; U1.41@16913.5,6089.84 17040,6089.84 17079.12,6128.96 17079.12,6161.31 17094.81,6177 17143,6177 17190,6130 17190,5740 17085,5635 17085,5315 v2(17033,5263)
  Bottom Layer w10: v2(10443,5059.49) D27.2@10443,5110 ; D41.2@10813,4365 10813,4314.49 10813.25,4314.25 10813.25,4320 10827.25,4334 v2(11080,4334) ; v2(11013,3427) v2(11013,3564.49) D55.2@11013,3615 11013,3646 v2(11080,3646) ; D68.2@11378,2865 v2(11378,2919) ; D14.2@11943,6240 v2(11943,6189) 11957,6175 12615,6175 12629,6189 12629,6266.19 12664.81,6302 12901,6302 13026,6177 13320,6177 13374,6231 13374,6253 13408,6287 13816,6287 13928.25,6174.75 14246.75,6174.75 14272,6200 14272,6219.19 14354.81,6302 14601,6302 14734,6169 15022,6169 15093,6240 15093,6280 15108.19,6295.19 15156.81,6295.19 15181.33,6270.67 15181.33,6176.12 15218.45,6139 15862,6139 15883,6160 15883,6198.75 ; v2(15662,6175.75) 15860,6175.75 15883,6198.75 ; D80.2@15883,6240 15883,6198.75 ; v2(16110,5366) 16266,5210 16647,5210 16677,5240 16677,5272 16765,5360 16941,5360 v2@17038,5263 ; v2(17033,5263) v2@17038,5263 ; D94.2@19068,5110 19068,5147 18965.19,5147 18928.19,5184 18301.81,5184 18265.72,5147.91 18214.28,5147.91 18171.19,5191 17937,5191 17771,5357 17519,5357 17379.13,5217.13 17292.87,5217.13 17247,5263 v2@17038,5263
KEY_POS12: D15.2 D28.2 D42.2 D56.2 D69.2 D81.2 D95.2 U1.2 | length 14921.2
  Top Layer w10: v2(11568,4314) 11875,4007 11875,3775 11763,3663 v2(11763,3564) 11790,3591 12367,3591 12456,3502 12456,3011 12653,2814 v2(12793,2814) ; v2(11568,4314.49) 11416.51,4314.49 11198,4533 v2(11198,5059.49) 11258,5119.49 11258,5366 11320,5428 12443.59,5428 12698,5682.41 v2(12698,6189) 13237,5650 v2(13237,5356) ; v2(14383,5059.49) 14460,4982.49 14460,4210 v2(14465,4205) ; U1.2@16476.5,6207.95 16526.05,6207.95 v2(16529,6205) ; v2(17004,4379) 16997.13,4385.87 16997.13,5608.9 16956.38,5649.64 16956.38,5888.72 16993.88,5926.22 17038.24,5926.22 17104,5991.98 v2(17104,6151)
  Bottom Layer w10: v2(11198,5059.49) D28.2@11198,5110 ; v2(11568,4314) v2(11568,4314.49) D42.2@11568,4365 ; v2(11763,3564) D56.2@11763,3615 ; v2(12698,6189) D15.2@12698,6240 ; v2(12793,2814) D69.2@12793,2865 ; v2(13237,5356) 13546,5047 14360,5047 v2(14383,5059.49) D81.2@14383,5110 ; v2(14465,4205) 16066,4205 16068,4203 16136.13,4271.13 16866.13,4271.13 16879.95,4284.95 16910,4284.95 16922.15,4297.1 16922.15,4327.11 16910,4339.25 16818,4339.25 D95.2@16818,4365 16818,4379 v2(17004,4379) ; v2(16529,6205) 16601,6205 16634,6172 16757.9,6172 16796.9,6211 17044,6211 v2(17104,6151)
KEY_POS13: D16.2 D29.2 D43.2 D57.2 D82.2 D96.2 U1.3 | length 12563.3
  Top Layer w10: v2(11948,5064.49) 12337,4675.49 12337,4444 ; v2(12298,4315) 12651,3962 12651,3759 12846,3564 v2(12978,3564) ; v2(12318,4425) 12337,4444 ; v2(13417,5381) 13438,5402 13438,5415 ; v2(13443,6189) v2@13438,6184 ; v2(13443,6189.49) 13438,6184.49 v2@13438,6184 ; v2(14998,5960) 15205,5753 15205,5131 v2(15133,5059) ; v2(15294,4377) v2(15294,5110) ; v2(16408,6222) 16408,6220 16439.73,6188.27 U1.3@16476.5,6188.27 ; 12337,4444 13027,5134 13157,5134 13438,5415 ; 13438,5415 v2@13438,6184
  Bottom Layer w10: v2(11948,5064.49) D29.2@11948,5115 ; v2(12298,4315) 12303,4315 12318,4330 D43.2@12318,4365 v2(12318,4425) ; v2(12978,3564) D57.2@12978,3615 ; v2(13417,5381) 13625,5173 14254.19,5173 14279.28,5147.91 14330.72,5147.91 14356.81,5174 14865,5174 14882,5157 15022,5157 15069,5110 D82.2@15133,5110 ; v2(13443,6189) v2(13443,6189.49) D16.2@13443,6240 ; v2(14998,5960) 15995.56,5960 16052.68,5902.87 16144.37,5902.87 16166.75,5925.25 16166.75,5997.37 16198.45,6029.07 16198.45,6127.07 16227.69,6156.31 16262.7,6156.31 16328.39,6222 v2(16408,6222) ; v2(15133,5059) D82.2@15133,5110 ; v2(15294,4377) 15369,4302 15768,4302 15853,4387 15853,4411 15874,4432 16685.19,4432 16714.28,4402.91 16773.91,4402.91 16783,4412 17041.29,4412 17151.29,4302 17540,4302 17568,4330 D96.2@17568,4365 ; v2(15294,5110) D82.2@15133,5110
KEY_POS14: D30.2 D44.2 D83.2 D97.2 U1.4 | length 8877.8
  Top Layer w10: v2(13073,5059) 13272,4860 13272,4475 v2(13258,4461) ; v2(15888,5216.66) 16298.66,5216.66 16301.87,5219.87 16301.87,5578.18 16140,5740.06 v2(16140,5818) ; U1.4@16476.5,6168.58 v2(16546,6168.58) ; v2(18174,4970) 18205,4939 18205,4545 18150,4490 18150,4359 18195,4314 v2(18318,4314)
  Bottom Layer w10: D30.2@13073,5110 v2(13073,5059) 13122.26,5108.26 13369.74,5108.26 13458,5020 15868,5020 15888,5040 ; D44.2@13258,4365 v2(13258,4461) ; v2(15888,5216.66) D83.2@15888,5110 15888,5040 ; v2(16140,5818) 16159.2,5818 16221.55,5880.36 16221.55,5916.04 16252.07,5946.56 16252.07,6059.95 16284,6091.88 16309.41,6091.88 16330.29,6112.76 16490.18,6112.76 v2(16546,6168.58) ; v2(18174,4970) 15958,4970 15888,5040 ; v2(18318,4314) D97.2@18318,4365
KEY_SEG1: ESC.1 F1.1 F2.1 F3.1 F4.1 F5.1 F6.1 F7.1 F8.1 F9.1 F10.1 F11.1 F12.1 U1.27 | length 14631.5
  Top Layer w10: F12.1@13365,6340 13365,5779 v2(13413,5731) ; U1.27@16744.21,5861.5 v2(16744.21,5914)
  Bottom Layer w10: ESC.1@2865,6345 3615,6345 3620,6340 F1.1@4365,6340 F2.1@5115,6340 F3.1@5865,6340 F4.1@6615,6340 F5.1@7740,6340 F6.1@8490,6340 F7.1@9240,6340 F8.1@9990,6340 F9.1@11115,6340 F10.1@11865,6340 F11.1@12615,6340 F12.1@13365,6340 ; v2(13413,5731) 13441,5759 16234.13,5759 16275.13,5800 16275.13,5858.1 16275.18,5858.15 16275.18,5870.04 16312.26,5907.13 16737.34,5907.13 v2(16744.21,5914)
KEY_SEG2: 0.1 1.1 2.1 3.1 4.1 5.1 6.1 7.1 8.1 9.1 -.1 BACK.1 EQUAL.1 U1.29 ~.1 | length 14956.7
  Top Layer w10: BACK.1@12990,5210 v2(12990,5777) ; U1.29@16783.58,5861.5 v2(16783.58,6012.61)
  Bottom Layer w10: ~.1@2865,5210 2865,5116 2920,5061 2991,5061 3140,5210 1.1@3615,5210 2.1@4365,5210 3.1@5115,5210 4.1@5860,5210 5.1@6615,5210 6.1@7365,5210 7.1@8115,5210 8.1@8865,5210 9.1@9615,5210 0.1@10365,5210 -.1@11115,5210 11490,5210 11495,5215 EQUAL.1@11865,5215 12428,5215 12433,5210 BACK.1@12990,5210 ; v2(12990,5777) 16146.38,5777 16239.38,5870 16239.38,5872.91 16239.43,5872.95 16239.43,5894.43 16269.94,5924.94 16269.94,5965.86 16318.57,6014.49 16577.71,6014.49 16579.28,6012.92 16783.27,6012.92 v2(16783.58,6012.61)
KEY_SEG3: [.1 \.1 ].1 E.1 I.1 O.1 P.1 Q.1 R.1 T.1 TAB.1 U1.30 U.1 W.1 Y.1 | length 14865.2
  Top Layer w10: \.1@13175,4465 13252,4388 13373,4388 13420,4435 13420,5066 v2(13993,5639) ; v2(16803.27,5766.24) U1.30@16803.27,5861.5
  Bottom Layer w10: TAB.1@3050,4465 Q.1@3990,4465 W.1@4745,4465 E.1@5490,4465 R.1@6240,4465 T.1@6995,4465 Y.1@7740,4465 U.1@8490,4465 I.1@9240,4465 O.1@9990,4465 P.1@10740,4465 [.1@11490,4465 ].1@12240,4465 \.1@13175,4465 ; v2(13993,5639) 14095,5741 16268.86,5741 16347.49,5819.63 16469.63,5819.63 16523.02,5766.24 v2(16803.27,5766.24)
KEY_SEG4: '.1 ;.1 A.1 CAPS.1 D.1 ENTER.1 F.1 G.1 H.1 J.1 K.1 L.1 S.1 U1.33 | length 16106
  Top Layer w10: ENTER.1@12895,3715 12895,3858 v2(13051,4014) ; U1.33@16913.5,5932.36 16888.24,5907.1 16888.24,5752.46 16902.76,5737.95 16902.76,5552.38 16917.12,5538.02 16917.12,5115.69 16921.75,5111.06 16921.75,3886.63 v2(16917.12,3882)
  Bottom Layer w10: CAPS.1@3150,3715 A.1@4175,3715 S.1@4930,3715 D.1@5675,3715 F.1@6425,3715 G.1@7180,3715 H.1@7925,3715 J.1@8680,3715 K.1@9430,3715 L.1@10180,3715 10930,3715 '.1@11680,3715 ENTER.1@12895,3715 ; v2(13051,4014) 15554,4014 15660,3908 16657,3908 16683,3882 v2(16917.12,3882)
KEY_SEG5: ,.1 ..1 /.1 B.1 C.1 LSHIFT.1 M.1 N.1 RSHIFT.1 U1.34 V.1 X.1 Z.1 | length 15812.8
  Top Layer w10: RSHIFT.1@12710,2965 12832,2965 v2(14126,4259) ; v2(16886,4314) 16886,4831 16903.87,4848.87 16903.87,5103.66 16878.75,5128.79 16878.75,5718.25 16865,5732 16865,5940 16877.05,5952.05 U1.34@16913.5,5952.05
  Bottom Layer w10: LSHIFT.1@3335,2965 Z.1@4555,2965 X.1@5305,2965 C.1@6055,2965 V.1@6805,2965 B.1@7555,2965 N.1@8300,2965 M.1@9055,2965 9800,2965 ..1@10555,2965 /.1@11300,2965 RSHIFT.1@12710,2965 ; v2(14126,4259) 16042,4259 16072,4289 16740,4289 16765,4314 v2(16886,4314)
KEY_SEG6: FN.1 HOME.1 INS.1 LALT.1 LCTRL.1 MENU.1 PAUSE.1 PGUP.1 PRTSC.1 RALT.1 RCTRL.1 SCRLK.1 SPACE.1 SUPER.1 U1.35 | length 19903.1
  Top Layer w10: RCTRL.1@13270,2215 13795,2215 13802,2222 13802,3847 14168.76,4213.76 14168.76,4396.76 14243,4471 14243,4527 14305,4589 INS.1@14305,5210 PRTSC.1@14305,6340 ; PGUP.1@15805,5210 15805,5398 v2(15917,5510) ; U1.35@16913.5,5971.73 v2(16966,5971.73)
  Bottom Layer w10: LCTRL.1@2960,2215 SUPER.1@3895,2215 LALT.1@4835,2215 SPACE.1@7645,2215 RALT.1@10460,2215 FN.1@11395,2215 MENU.1@12335,2215 RCTRL.1@13270,2215 ; INS.1@14305,5210 HOME.1@15055,5210 PGUP.1@15805,5210 ; PRTSC.1@14305,6340 SCRLK.1@15050,6340 PAUSE.1@15800,6340 ; v2(15917,5510) 16066.24,5510 16358,5801.76 16459.49,5801.76 16521.24,5740 16813.74,5740 16885.35,5811.6 16885.35,5891.08 v2(16966,5971.73)
KEY_SEG7: DEL.1 DOWN.1 END.1 LIFT.1 N7.1 N8.1 N9.1 N*.1 N-.1 N/.1 NUMLOCK.1 PGDN.1 RIGHT.1 U1.36 UP.1 | length 12433.4
  Top Layer w10: DOWN.1@15050,2215 15050,2590 15055,2595 UP.1@15055,2965 END.1@15055,4465 ; N7.1@16740,4465 NUMLOCK.1@16740,5210 ; v2(16861,5991.42) U1.36@16913.5,5991.42 ; v2(17278,6121) 17270.12,6113.12 17270.12,5744.88 17353,5662 17501,5662 17587,5576 17587,5237 17560,5210 N/.1@17490,5210 N8.1@17490,4465 ; N9.1@18240,4465 N*.1@18240,5210
  Bottom Layer w10: LIFT.1@14305,2210 14678,2210 14683,2215 DOWN.1@15050,2215 RIGHT.1@15805,2215 ; DEL.1@14305,4465 END.1@15055,4465 PGDN.1@15805,4465 N7.1@16740,4465 ; NUMLOCK.1@16740,5210 17229.25,5210 17240,5199.25 17421.44,5199.25 17432.19,5210 N/.1@17490,5210 ; v2(16861,5991.42) 16942.08,6072.5 17166.18,6072.5 17192.4,6098.72 17192.4,6118.7 17197.24,6123.54 17275.46,6123.54 v2(17278,6121) ; N8.1@17490,4465 N9.1@18240,4465 ; N*.1@18240,5210 N-.1@18990,5210
KEY_SEG8: N0.1 N1.1 N2.1 N3.1 N4.1 N5.1 N6.1 NDOT.1 NENTER.1 NPLUS.1 U1.56 | length 10847.8
  Top Layer w10: U1.56@16704.84,6298.5 v2(16704.84,6351) ; N4.1@16740,3715 N1.1@16740,2965 17115,2590 N0.1@17115,2215 ; v2(17247,6234) 17247,5680 17287,5640 17363,5640 17433,5570 17433,5261 17385,5213 17385,4889 17460,4814 17460,4530.5 17375,4445.5 17375,4209 17490,4094 N5.1@17490,3715 ; NDOT.1@18240,2215 N3.1@18240,2965 N6.1@18240,3715
  Bottom Layer w10: v2(16704.84,6351) 16730.84,6325 16883,6325 16974,6234 v2(17247,6234) ; N4.1@16740,3715 N5.1@17490,3715 N6.1@18240,3715 18240,3845 18510,4115 NPLUS.1@19025,4115 ; N2.1@17490,2965 N3.1@18240,2965 ; NDOT.1@18240,2215 18417,2215 18602,2400 18955,2400 18995,2440 NENTER.1@18995,2590